# KiCad board kharon386_main.kicad_pcb
title: PC-KHARON-386-MAIN; date: 2023-02-22; rev: A1; company: Eugene Lozovoy
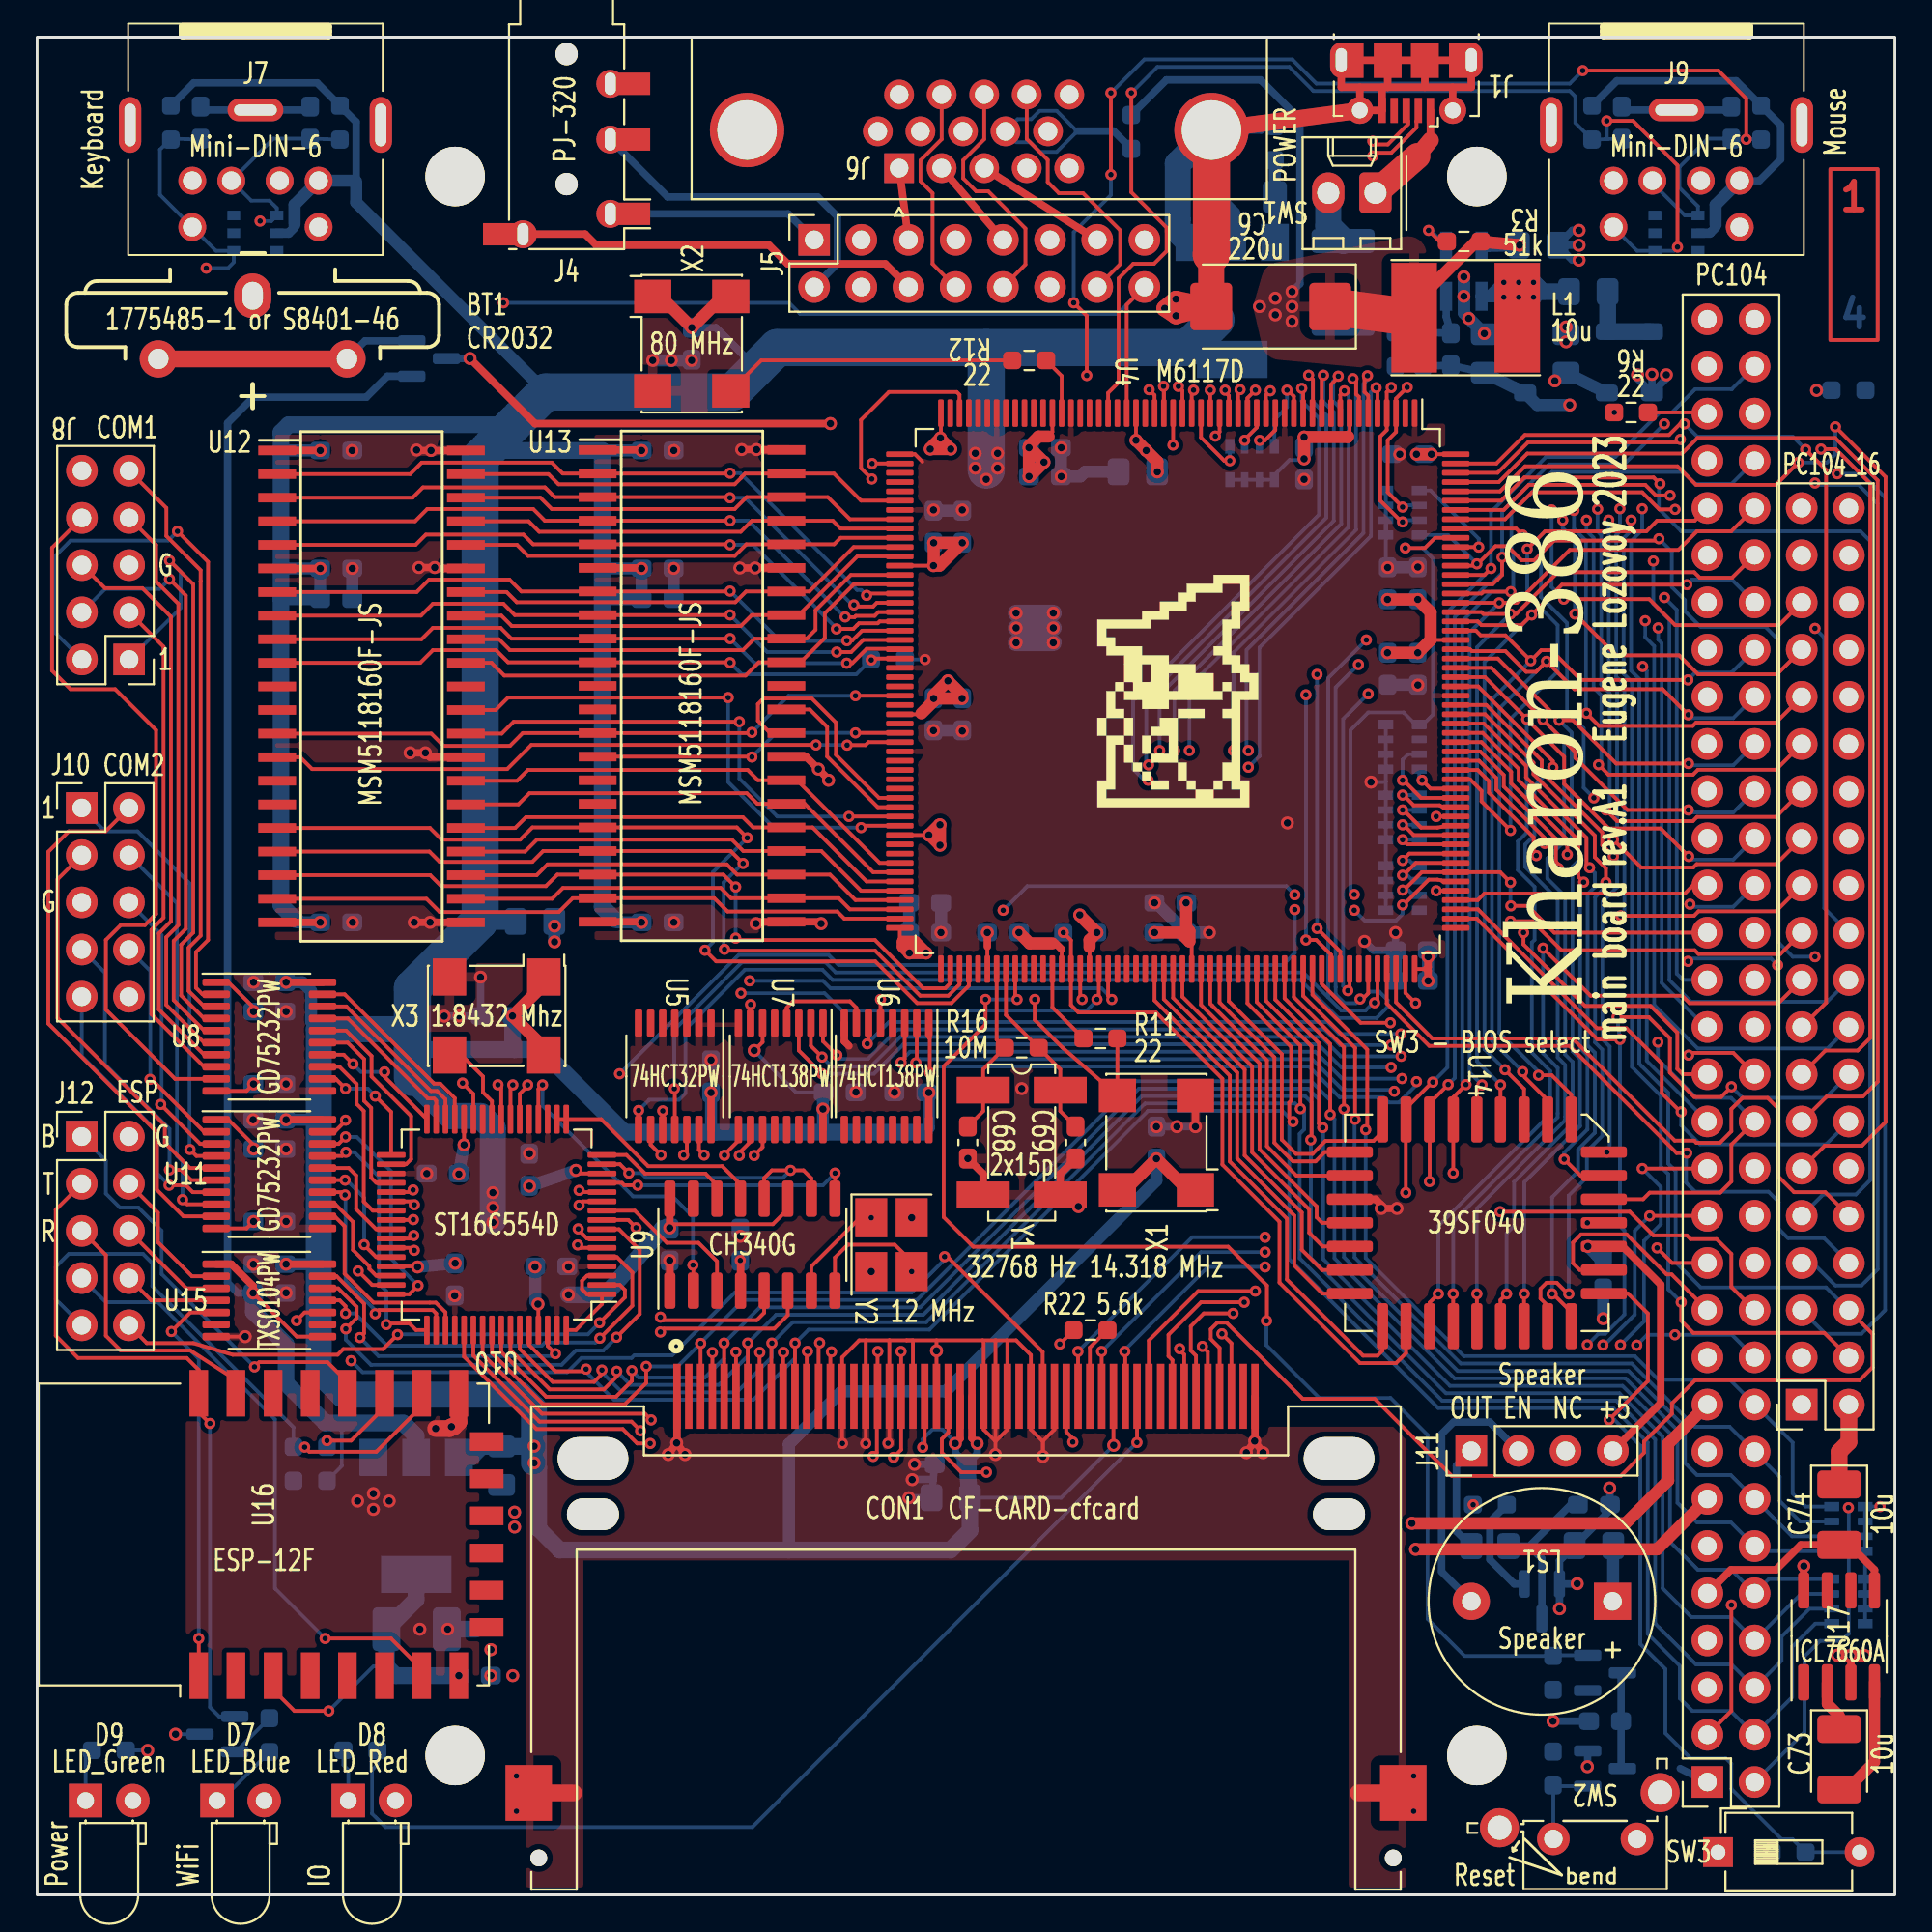
[diagram p0: board, top side]
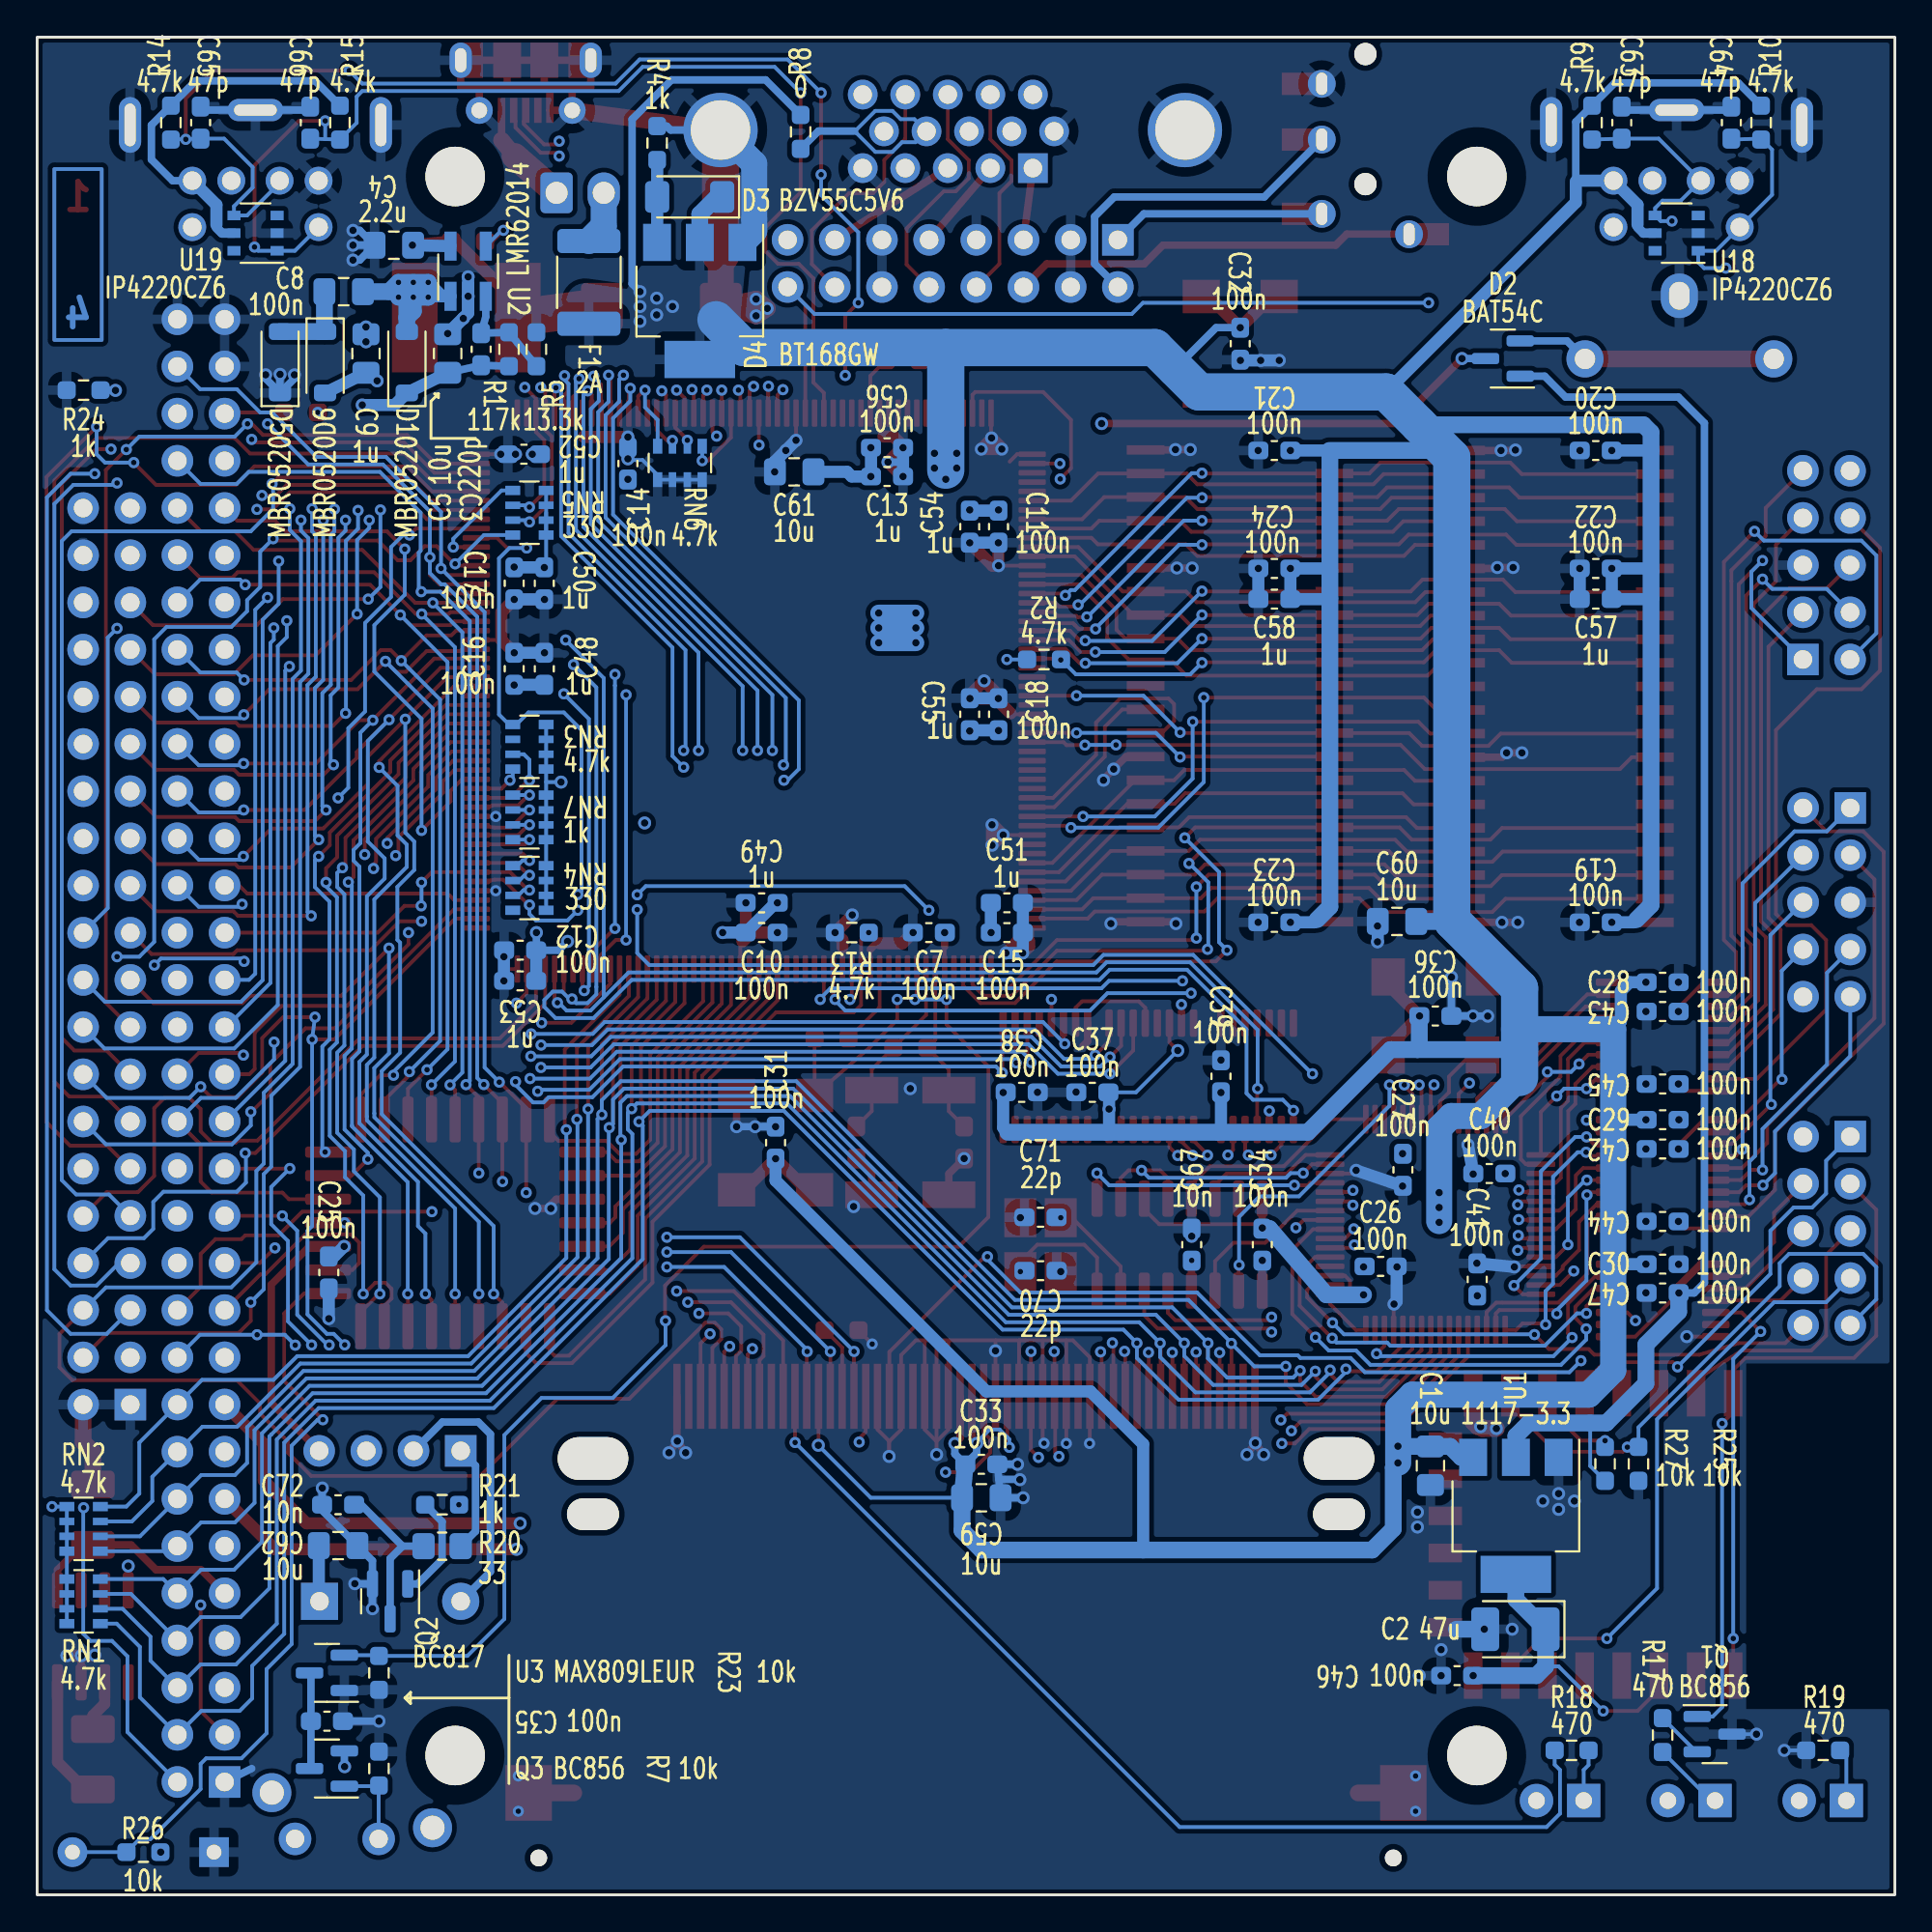
[diagram p1: board, bottom side, seen from below]

Outline 100 x 100 mm; copper layers: Top, In1.Cu, In2.Cu, Bottom. Coordinates in mm from the lower left corner of the outline.
Outline path: rectangle 0,100 100,0
Stack: Top 0.035mm / dielectric 1.51mm FR4 er 4.5 / In1.Cu 0.035mm / dielectric 1.51mm FR4 er 4.5 / In2.Cu 0.035mm / dielectric 1.51mm FR4 er 4.5 / Bottom 0.035mm

## Placement (name value [footprint] x y rotation side)
BT1  1775485-1 or S8401-46  [CR2032V]  6.52 82.68 0 top
C1  10u  [C_0805_2012Metric_Pad1.18x1.45mm_HandSolder]  25 23.1 90 bottom
C2  47u  [CP_EIA-3528-21_Kemet-B_Pad1.50x2.35mm_HandSolder]  20.42 14.3 0 bottom
C3  220p  [C_0603_1608Metric_Pad1.08x0.95mm_HandSolder]  76.1 83.2 90 bottom
C4  2.2u  [C_0805_2012Metric_Pad1.18x1.45mm_HandSolder]  80.8 88.8 180 bottom
C5  10u  [C_0805_2012Metric_Pad1.18x1.45mm_HandSolder]  77.9 82.97 270 bottom
C6  220u  [CP_EIA-7343-31_Kemet-D_Pad2.25x2.55mm_HandSolder]  66.4 85.5 180 top
C7  100n  [C_0603_1608Metric_Pad1.08x0.95mm_HandSolder]  52 51.8 0 bottom
C8  100n  [C_0805_2012Metric_Pad1.18x1.45mm_HandSolder]  83.5 86.3 0 bottom
C9  1u  [C_0805_2012Metric_Pad1.18x1.45mm_HandSolder]  82.3 82.97 90 bottom
C10  100n  [C_0603_1608Metric_Pad1.08x0.95mm_HandSolder]  61 51.8 0 bottom
C11  100n  [C_0603_1608Metric_Pad1.08x0.95mm_HandSolder]  48.25 73.65 90 bottom
C12  100n  [C_0603_1608Metric_Pad1.08x0.95mm_HandSolder]  74 50.85 180 bottom
C13  100n  [C_0603_1608Metric_Pad1.08x0.95mm_HandSolder]  54.25 77.9 0 bottom
C14  100n  [C_0603_1608Metric_Pad1.08x0.95mm_HandSolder]  68.2 77.05 270 bottom
C15  100n  [C_0603_1608Metric_Pad1.08x0.95mm_HandSolder]  47.8 51.8 0 bottom
C16  100n  [C_0603_1608Metric_Pad1.08x0.95mm_HandSolder]  74.32 66 270 bottom
C17  100n  [C_0603_1608Metric_Pad1.08x0.95mm_HandSolder]  74.32 70.6 90 bottom
C18  100n  [C_0603_1608Metric_Pad1.08x0.95mm_HandSolder]  48.25 63.55 270 bottom
C19  100n  [C_0603_1608Metric_Pad1.08x0.95mm_HandSolder]  16.1 52.35 180 bottom
C20  100n  [C_0603_1608Metric_Pad1.08x0.95mm_HandSolder]  16.1 77.75 180 bottom
C21  100n  [C_0603_1608Metric_Pad1.08x0.95mm_HandSolder]  33.4 77.75 180 bottom
C22  100n  [C_0603_1608Metric_Pad1.08x0.95mm_HandSolder]  16.1 71.4 180 bottom
C23  100n  [C_0603_1608Metric_Pad1.08x0.95mm_HandSolder]  33.4 52.35 180 bottom
C24  100n  [C_0603_1608Metric_Pad1.08x0.95mm_HandSolder]  33.4 71.4 180 bottom
C25  100n  [C_0603_1608Metric_Pad1.08x0.95mm_HandSolder]  84.3 33.5 90 bottom
C26  100n  [C_0603_1608Metric_Pad1.08x0.95mm_HandSolder]  27.68 33.83 0 bottom
C27  100n  [C_0603_1608Metric_Pad1.08x0.95mm_HandSolder]  26.48 39.03 90 bottom
C28  100n  [C_0603_1608Metric_Pad1.08x0.95mm_HandSolder]  12.5 49.12 0 bottom
C29  100n  [C_0603_1608Metric_Pad1.08x0.95mm_HandSolder]  12.5 41.72 0 bottom
C30  100n  [C_0603_1608Metric_Pad1.08x0.95mm_HandSolder]  12.5 33.95 0 bottom
C31  100n  [C_0603_1608Metric_Pad1.08x0.95mm_HandSolder]  60.25 40.49 270 bottom
C32  100n  [C_0603_1608Metric_Pad1.08x0.95mm_HandSolder]  35.24 83.5 90 bottom
C33  100n  [C_0603_1608Metric_Pad1.08x0.95mm_HandSolder]  49.17 23.17 0 bottom
C34  100n  [C_0603_1608Metric_Pad1.08x0.95mm_HandSolder]  34.05 35 270 bottom
C35  100n  [C_0603_1608Metric_Pad1.08x0.95mm_HandSolder]  84.4 9.35 180 bottom
C36  100n  [C_0603_1608Metric_Pad1.08x0.95mm_HandSolder]  24.73 47.31 180 bottom
C37  100n  [C_0603_1608Metric_Pad1.08x0.95mm_HandSolder]  43.2 43.2 0 bottom
C38  100n  [C_0603_1608Metric_Pad1.08x0.95mm_HandSolder]  47 43.2 180 bottom
C39  100n  [C_0603_1608Metric_Pad1.08x0.95mm_HandSolder]  36.28 44.06 90 bottom
C40  100n  [C_0603_1608Metric_Pad1.08x0.95mm_HandSolder]  21.83 38.83 0 bottom
C41  100n  [C_0603_1608Metric_Pad1.08x0.95mm_HandSolder]  22.48 33.13 90 bottom
C42  100n  [C_0603_1608Metric_Pad1.08x0.95mm_HandSolder]  12.5 40.15 180 bottom
C43  100n  [C_0603_1608Metric_Pad1.08x0.95mm_HandSolder]  12.5 47.55 180 bottom
C44  100n  [C_0603_1608Metric_Pad1.08x0.95mm_HandSolder]  12.5 36.25 180 bottom
C45  100n  [C_0603_1608Metric_Pad1.08x0.95mm_HandSolder]  12.5 43.65 180 bottom
C46  100n  [C_0603_1608Metric_Pad1.08x0.95mm_HandSolder]  23.56 11.8 180 bottom
C47  100n  [C_0603_1608Metric_Pad1.08x0.95mm_HandSolder]  12.5 32.4 180 bottom
C48  1u  [C_0603_1608Metric_Pad1.08x0.95mm_HandSolder]  72.7 66 270 bottom
C49  1u  [C_0603_1608Metric_Pad1.08x0.95mm_HandSolder]  61 53.4 180 bottom
C50  1u  [C_0603_1608Metric_Pad1.08x0.95mm_HandSolder]  72.7 70.6 90 bottom
C51  1u  [C_0603_1608Metric_Pad1.08x0.95mm_HandSolder]  47.8 53.4 0 bottom
C52  1u  [C_0603_1608Metric_Pad1.08x0.95mm_HandSolder]  73.8 77.55 180 bottom
C53  1u  [C_0603_1608Metric_Pad1.08x0.95mm_HandSolder]  74 49.2 180 bottom
C54  1u  [C_0603_1608Metric_Pad1.08x0.95mm_HandSolder]  49.8 73.65 270 bottom
C55  1u  [C_0603_1608Metric_Pad1.08x0.95mm_HandSolder]  49.8 63.55 90 bottom
C56  1u  [C_0603_1608Metric_Pad1.08x0.95mm_HandSolder]  54.25 76.35 180 bottom
C57  1u  [C_0603_1608Metric_Pad1.08x0.95mm_HandSolder]  16.1 69.75 0 bottom
C58  1u  [C_0603_1608Metric_Pad1.08x0.95mm_HandSolder]  33.4 69.75 0 bottom
C59  10u  [C_0805_2012Metric_Pad1.18x1.45mm_HandSolder]  49.17 21.38 180 bottom
C60  10u  [C_0805_2012Metric_Pad1.18x1.45mm_HandSolder]  26.8 52.4 0 bottom
C61  10u  [C_0805_2012Metric_Pad1.18x1.45mm_HandSolder]  59.25 76.6 0 bottom
C62  10u  [C_0805_2012Metric_Pad1.18x1.45mm_HandSolder]  83.8 18.8 180 bottom
C63  47p  [C_0603_1608Metric_Pad1.08x0.95mm_HandSolder]  14.7 95.4 90 bottom
C64  47p  [C_0603_1608Metric_Pad1.08x0.95mm_HandSolder]  8.8 95.4 90 bottom
C65  47p  [C_0603_1608Metric_Pad1.08x0.95mm_HandSolder]  91.2 95.4 90 bottom
C66  47p  [C_0603_1608Metric_Pad1.08x0.95mm_HandSolder]  85.3 95.4 90 bottom
C67  10n  [C_0603_1608Metric_Pad1.08x0.95mm_HandSolder]  37.85 35 270 bottom
C68  15p  [C_0603_1608Metric_Pad1.08x0.95mm_HandSolder]  50.1 40.5 270 top
C69  15p  [C_0603_1608Metric_Pad1.08x0.95mm_HandSolder]  55.9 40.5 270 top
C70  22p  [C_0603_1608Metric_Pad1.08x0.95mm_HandSolder]  45.99 33.6 180 bottom
C71  22p  [C_0603_1608Metric_Pad1.08x0.95mm_HandSolder]  45.99 36.47 0 bottom
C72  10n  [C_0603_1608Metric_Pad1.08x0.95mm_HandSolder]  83.8 21 0 bottom
C73  10u  [CP_EIA-3528-21_Kemet-B_Pad1.50x2.35mm_HandSolder]  97 7.3 270 top
C74  10u  [CP_EIA-3528-21_Kemet-B_Pad1.50x2.35mm_HandSolder]  97 20.46 270 top
CON1  CF-CARD-cfcard  [TE_1734451-1-LONG]  50 26.84 0 top
D1  MBR0520  [D_SOD-123]  80.1 82.5 90 bottom
D2  BAT54C  [SOT-23]  21.1 82.7 0 bottom
D3  BZV55C5V6  [D_MiniMELF]  64.88 91.4 0 bottom
D4  BT168GW  [SOT-223-3_TabPin2]  64.33 85.8 270 bottom
D5  MBR0520  [D_SOD-123]  86.92 82.5 90 bottom
D6  MBR0520  [D_SOD-123]  84.5 82.5 270 bottom
D7  LED_Blue  [LED_D3.0mm_Horizontal_O1.27mm_Z6.0mm]  9.68 5.07 0 top
D8  LED_Red  [LED_D3.0mm_Horizontal_O1.27mm_Z6.0mm]  16.75 5.07 0 top
D9  LED_Green  [LED_D3.0mm_Horizontal_O1.27mm_Z6.0mm]  2.61 5.07 0 top
F1  2A  [Fuse_1812_4532Metric_Pad1.30x3.40mm_HandSolder]  70.3 86.8 90 bottom
H1  Screw M3 dk=5mm L=4mm  [MountingHole_3.2mm_M3_dk5.2mm_Mask]  22.5 92.5 0 top
H2  Screw M3 dk=5mm L=4mm  [MountingHole_3.2mm_M3_dk5.2mm_Mask]  77.5 92.5 0 top
H3  Screw M3 dk=5mm L=4mm  [MountingHole_3.2mm_M3_dk5.2mm_Mask]  22.5 7.5 0 top
H4  Screw M3 dk=5mm L=4mm  [MountingHole_3.2mm_M3_dk5.2mm_Mask]  77.5 7.5 0 top
J1  USB_B_Micro  [USB_Micro-B_Molex-105017-0001]  73.7 97.52 180 top
J2  PC104_16  [PinSocket_2x20_P2.54mm_Vertical]  94.98 26.39 180 top
J3  PC104  [PinSocket_2x32_P2.54mm_Vertical]  89.91 6.07 180 top
J4  PJ-320  [PJ-320A_D]  28.5 95.59 0 top
J5  Conn_02x08_Odd_Even  [PinSocket_2x08_P2.54mm_Vertical]  41.82 89.09 90 top
J6  DB15_Female_HighDensity_MountingHoles  [DSUB-15-HD_Female_Horizontal_P2.29x1.98mm_EdgePinOffset3.03mm_Housed_MountingHolesOffset4.94mm]  46.4 92.95 180 top
J7  Mini-DIN-6  [minidin-6]  11.75 94.5 0 top
J8  COM1  [PinHeader_2x05_P2.54mm_Vertical]  4.95 66.5 180 top
J9  Mini-DIN-6  [minidin-6]  88.25 94.5 0 top
J10  COM2  [PinHeader_2x05_P2.54mm_Vertical]  2.4 58.51 0 top
J11  Conn_01x04  [PinHeader_1x04_P2.54mm_Vertical]  77.2 23.9 90 top
J12  ESP  [PinHeader_2x05_P2.54mm_Vertical]  2.4 40.82 0 top
L1  10u  [L_Taiyo-Yuden_NR-60xx_HandSoldering]  76.9 84.9 0 top
LOGO1  graphic  [black-mage-12.5x8.6]  61.4 64.8 0 top
LS1  Speaker  [Buzzer_12x9.5RM7.6]  84.8 15.8 180 top
Q1  BC856  [SOT-23]  9.7 8.65 180 bottom
Q2  BC817  [SOT-23]  81 15.8 270 bottom
Q3  BC856  [SOT-23]  84.4 6.8 0 bottom
R1  117k  [R_0603_1608Metric_Pad0.98x0.95mm_HandSolder]  74.6 83.2 90 bottom
R2  4.7k  [R_0603_1608Metric_Pad0.98x0.95mm_HandSolder]  45.8 66.5 180 bottom
R3  51k  [R_0603_1608Metric_Pad0.98x0.95mm_HandSolder]  76.8 89 180 top
R4  1k  [R_0603_1608Metric_Pad0.98x0.95mm_HandSolder]  66.62 94.3 90 bottom
R5  13.3k  [R_0603_1608Metric_Pad0.98x0.95mm_HandSolder]  73.12 83.2 270 bottom
R6  22  [R_0603_1608Metric_Pad0.98x0.95mm_HandSolder]  85.8 79.8 180 top
R7  10k  [R_0603_1608Metric_Pad0.98x0.95mm_HandSolder]  81.6 6.8 90 bottom
R8  0  [R_0603_1608Metric_Pad0.98x0.95mm_HandSolder]  58.9 94.9 270 bottom
R9  4.7k  [R_0603_1608Metric_Pad0.98x0.95mm_HandSolder]  16.3 95.4 270 bottom
R10  4.7k  [R_0603_1608Metric_Pad0.98x0.95mm_HandSolder]  7.2 95.4 270 bottom